# Altium PCB Dahlia Carrier Board.PcbDoc (part 8 of 10) (continued)
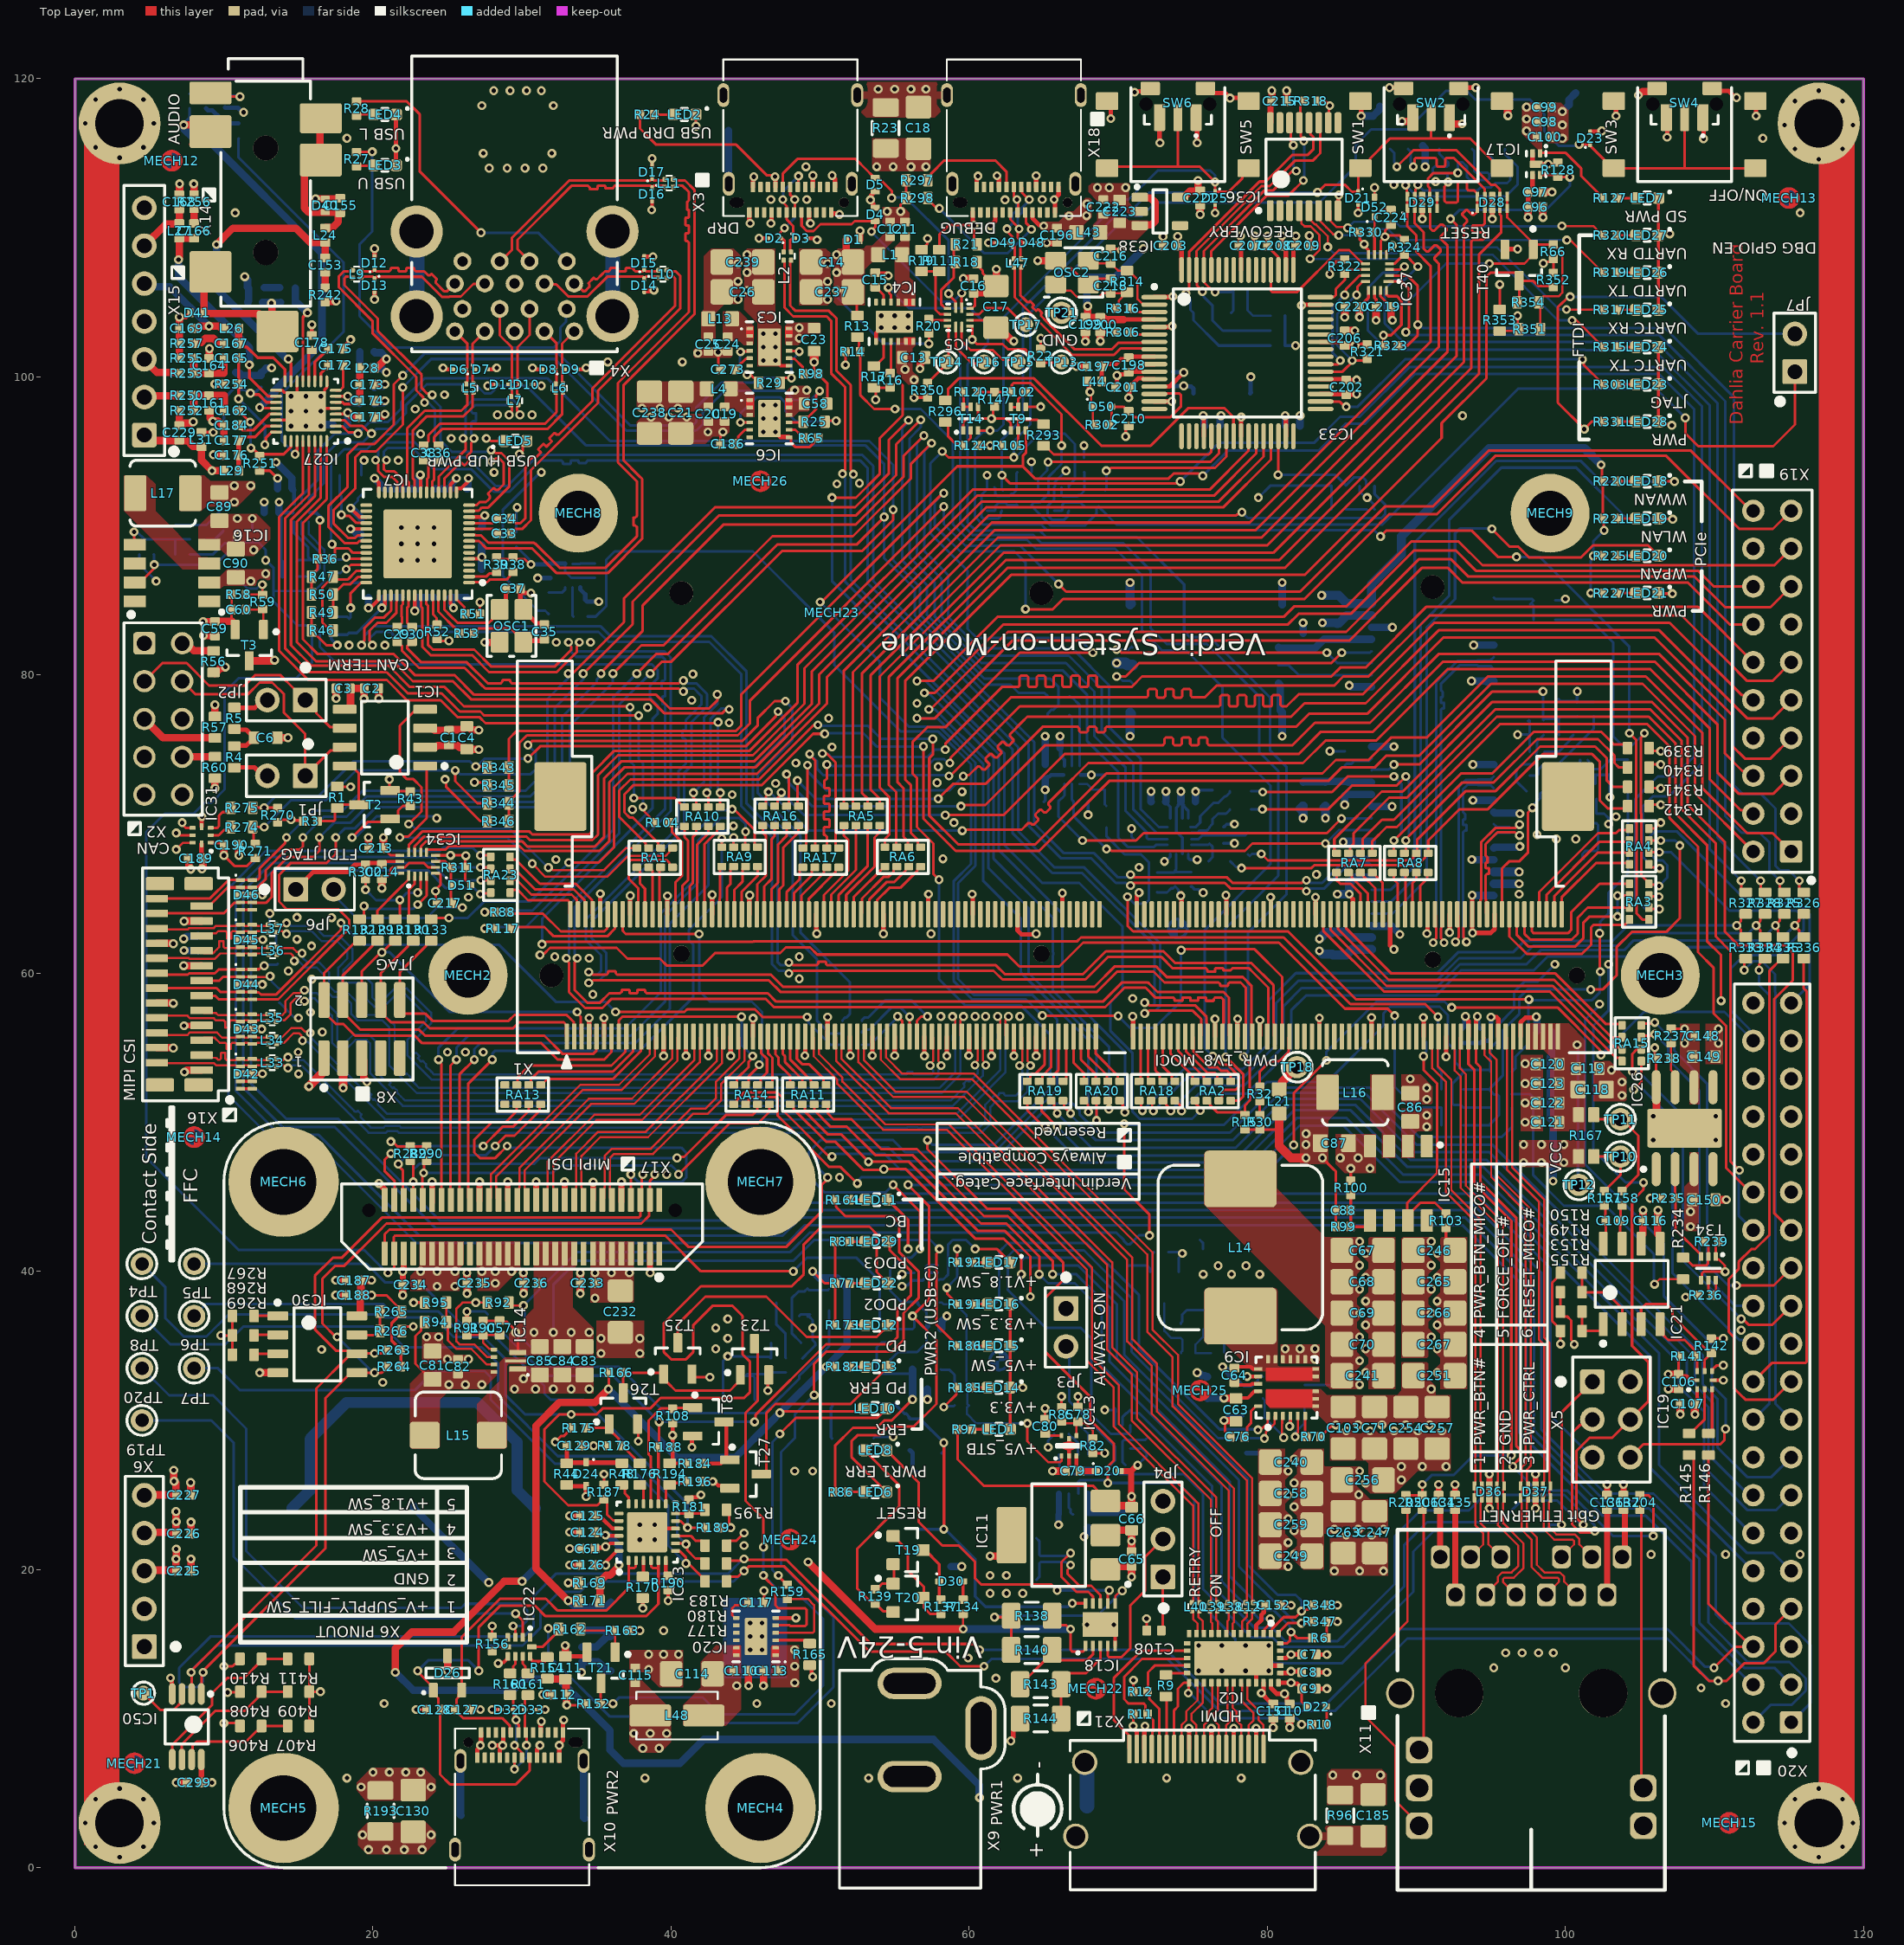
[diagram p0: Top Layer view]
## Nets (pads, with @x,y where several pads share a name; then routed paths per layer and width w, separated by ;. In a path a pad name is that pad's centre, name@x,y a point inside that pad or via, vN(x,y) a via of type N, cw(c..) or ccw(c..) an arc to the next point about the centre after c; other vN are vias at no path point) (continued)
  Bottom Layer w0.175: v2(47.4,72.114) 48.914,70.6 v2(58.4,70.6)
QSPI_1_DQS: RA17.8 X19.12 | length 82.1
  Top Layer w0.175: v2(50.156,74.732) 50.446,74.732 51.038,74.14 51.038,68.563 51.2,68.4 RA17.8@51.25,68.4 ; v2(58.4,75) 58.423,75.023 58.423,75.423 62.2,79.2 63.196,79.2 63.283,79.2 63.386,79.303 63.386,79.871 63.472,79.957 63.874,79.957 63.961,79.871 63.961,79.282 64.047,79.196 64.449,79.196 64.536,79.282 64.536,79.871 64.622,79.957 65.024,79.957 65.111,79.871 65.111,79.282 65.197,79.196 65.599,79.196 65.686,79.282 65.686,79.871 65.772,79.957 66.174,79.957 66.261,79.871 66.261,79.282 66.347,79.196 66.749,79.196 66.836,79.282 66.836,79.871 66.922,79.957 67.324,79.957 67.411,79.871 67.411,79.282 67.497,79.196 67.899,79.196 67.986,79.282 67.986,79.871 68.072,79.957 68.474,79.957 68.561,79.871 68.561,79.303 68.663,79.2 69.38,79.2 70.9,79.2 71.6,79.9 84.3,79.9 84.9,80.5 86.6,80.5 90.685,84.586 108.884,84.586 X19.12@112.61,80.86
  Bottom Layer w0.175: v2(50.156,74.732) 50.197,74.69 50.56,74.69 50.75,74.5 57.2,74.5 57.7,75 v2(58.4,75)
QSPI_1_IO0: RA16.7 X19.6 | length 79.8
  Top Layer w0.175: RA16.7@47.75,71.2 47.752,71.2 47.914,71.363 47.914,73.071 47.75,73.235 v2(47.75,73.35) ; v2(59.45,71.2) 59.531,71.281 61.081,71.281 65.1,75.3 72.917,75.3 73.004,75.3 73.107,75.403 73.107,75.728 73.193,75.815 73.596,75.815 73.682,75.728 73.682,75.372 73.768,75.286 74.171,75.286 74.257,75.372 74.257,75.728 74.343,75.815 74.746,75.815 74.832,75.728 74.832,75.372 74.918,75.286 75.321,75.286 75.407,75.372 75.407,75.728 75.493,75.815 75.896,75.815 75.982,75.728 75.982,75.403 76.084,75.3 76.923,75.3 81.7,75.3 83.2,76.8 86.9,76.8 91.525,81.425 106.275,81.425 110.7,77 110.7,74.75 111.869,73.581 111.911,73.581 112.251,73.24 X19.6@112.61,73.24
  Bottom Layer w0.175: v2(47.75,73.35) 47.831,73.269 47.831,72.841 49.487,71.186 59.435,71.186 v2(59.45,71.2)
QSPI_1_IO1: RA16.8 X19.7 | length 79.6
  Top Layer w0.175: v2(48.475,72.925) 48.475,71.275 RA16.8@48.55,71.2 ; v2(57.925,71.7) 58.917,72.692 61.092,72.692 64.925,76.525 66.625,76.525 67.288,76.525 67.39,76.422 67.39,76.246 67.476,76.16 67.879,76.16 67.965,76.246 67.965,76.442 68.051,76.528 68.454,76.528 68.54,76.442 68.54,76.246 68.626,76.16 69.029,76.16 69.115,76.246 69.115,76.422 69.218,76.525 70.175,76.525 81.925,76.525 82.8,77.4 86.7,77.4 91.826,82.526 105.974,82.526 111.2,77.3 111.2,75.25 112.05,74.4 113.77,74.4 X19.7@115.15,75.78
  Bottom Layer w0.175: v2(48.475,72.925) 49.7,71.7 v2(57.925,71.7)
QSPI_1_IO2: RA17.5 X19.9 | length 82.4
  Top Layer w0.175: RA17.5@48.85,68.4 48.9,68.4 49.063,68.563 49.063,69.527 49.15,69.614 v2(49.15,73.95) ; v2(59.606,73.207) 59.679,73.279 59.979,73.279 60.1,73.4 60.568,73.868 60.713,73.868 60.931,73.651 61.053,73.651 61.338,73.935 61.338,74.057 61.102,74.294 61.102,74.415 61.386,74.7 61.508,74.7 61.744,74.464 61.866,74.464 62.151,74.749 62.151,74.871 61.915,75.107 61.915,75.229 62.199,75.513 62.321,75.513 62.557,75.277 62.679,75.277 62.964,75.562 62.964,75.684 62.746,75.901 62.746,76.046 63.545,76.845 63.9,77.2 81.6,77.2 82.5,78.1 86.6,78.1 91.5,83 106.3,83 112.2,77.1 113.93,77.1 X19.9@115.15,78.32
  Bottom Layer w0.175: v2(49.15,73.95) 49.173,73.927 49.173,73.527 50.439,72.261 58.66,72.261 v2(59.606,73.207)
QSPI_1_IO3: RA17.6 X19.10 | length 82.4
  Top Layer w0.175: v2(49.3,74.7) 49.3,74.634 49.664,74.269 49.664,68.415 RA17.6@49.65,68.4 ; v2(58.65,73.225) 58.725,73.225 63.4,77.9 76.672,77.9 76.76,77.9 76.862,78.003 76.862,78.574 76.949,78.66 77.351,78.66 77.437,78.574 77.437,77.977 77.524,77.891 77.926,77.891 78.012,77.977 78.012,78.574 78.099,78.66 78.501,78.66 78.587,78.574 78.587,77.977 78.674,77.891 79.076,77.891 79.162,77.977 79.162,78.574 79.249,78.66 79.651,78.66 79.737,78.574 79.737,77.977 79.824,77.891 80.226,77.891 80.312,77.977 80.312,78.574 80.399,78.66 80.801,78.66 80.887,78.574 80.887,78.003 80.99,77.9 81.3,77.9 81.325,77.925 82.1,78.7 86.4,78.7 87.2,79.5 91.2,83.5 107,83.5 111.854,78.646 111.926,78.646 112.251,78.32 X19.10@112.61,78.32
  Bottom Layer w0.175: v2(49.3,74.7) 49.8,74.2 49.8,73.7 50.211,73.29 58.585,73.29 v2(58.65,73.225)
SD_1_CD#: R352.2 R354.2 RA6.8 T40.3 | length 73.1
  Top Layer w0.175: RA6.8@56.75,68.45 56.712,68.45 56.55,68.613 56.55,68.95 56.1,69.4 56.1,72.6 55.7,73 55.7,79.6 62.814,86.715 82.515,86.715 91.7,95.9 91.7,96.9 94.7,99.9 94.7,100.899 94.697,100.901 94.697,106.698 95,107 96.688,107 96.9,106.788 T40.3@96.9,106.45 ; R354.2@96.775,105 96.9,105.125 T40.3@96.9,106.45 ; R352.2@99.2,106.02 99.12,106.1 98.18,106.1 97.83,106.45 T40.3@96.9,106.45
SD_1_CLK: D28.1 D28.10 RA6.5 X7.5 | length 82.2
  Top Layer w0.175: RA6.5@54.35,68.45 54.35,69 54.625,69.275 54.625,71.825 54,72.45 54,79.9 62.3,88.2 80.4,88.2 93.2,101 93.2,110.2 93.34,110.34 93.402,110.402 93.402,110.547 93.094,110.855 93.094,110.956 93.329,111.191 93.43,111.191 93.738,110.883 93.883,110.883 94.047,111.047 94.062,111.062 94.062,111.262 D28.1@94.1,111.3 94.1,112.288 93.888,112.5 93.503,112.5 93.4,112.603 93.4,112.997 93.297,113.1 92.903,113.1 92.8,112.997 92.8,111.803 92.697,111.7 92.003,111.7 91.9,111.803 91.9,112.769 92.133,113.002 v1(92.133,113.084)
  Bottom Layer w0.175: X7.5@91.54,115.3 91.54,114.968 92.16,114.347 92.16,114.203 92.058,114.1 91.217,114.1 91.113,113.996 91.113,113.74 91.215,113.638 91.999,113.638 92.102,113.535 92.102,113.115 v1(92.133,113.084)
SD_1_CMD: D29.4 D29.7 RA5.7 X7.3 | length 79.6
  Top Layer w0.175: RA5.7@53.2,71.2 53.2,71.7 52.8,72.1 52.8,80.1 61.925,89.225 79.625,89.225 92.1,101.7 92.1,108.8 91.632,109.268 91.632,109.413 92.036,109.818 92.036,109.94 91.751,110.225 91.63,110.225 91.225,109.82 91.08,109.82 90.918,109.982 90.918,110.001 90.918,111.282 D29.4@90.9,111.3 D29.7@90.9,112.1 90.9,112.675 90.786,112.79 90.786,113.313 91.156,113.684 v1(92.783,113.684)
  Bottom Layer w0.175: v1(92.783,113.684) 92.783,114.297 92.885,114.4 93.11,114.4 93.412,114.097 93.412,113.388 93.6,113.2 94.797,113.2 94.9,113.303 94.9,113.597 94.797,113.7 94.003,113.7 93.9,113.803 93.9,115.14 X7.3@93.74,115.3
SD_1_D0: D28.2 D28.9 RA6.6 X7.7 | length 82.1
  Top Layer w0.175: RA6.6@55.15,68.45 55.1,68.5 55.1,72.15 54.6,72.65 54.6,79.857 62.443,87.7 80.8,87.7 93.7,100.6 93.7,108.4 93.7,109.097 93.803,109.2 94.479,109.2 94.582,109.303 94.582,109.505 94.582,109.592 94.479,109.695 93.813,109.695 93.742,109.766 93.742,110.098 93.813,110.17 94.479,110.17 94.582,110.272 94.582,110.893 94.582,111.282 D28.2@94.6,111.3 D28.9@94.6,112.1 94.6,112.6 92.5,114.7 92.4,114.7 92.043,114.7 91.94,114.597 91.94,114.181 91.854,114.095 91.451,114.095 91.365,114.181 91.365,114.597 91.263,114.7 90.6,114.7 89.975,114.7 89.873,114.597 89.873,114.173 v1(89.8,114.1)
  Bottom Layer w0.175: X7.7@89.44,115.3 89.632,115.108 89.632,114.383 89.9,114.115 v1@89.9,114.1
SD_1_D1: D28.4 D28.7 RA6.7 X7.8 | length 82
  Top Layer w0.175: RA6.7@55.95,68.45 55.89,68.51 55.89,68.86 55.6,69.15 55.6,72.4 55.2,72.8 55.2,79.8 62.6,87.2 81.2,87.2 94.2,100.2 94.2,108.2 95.7,109.7 95.7,110.8 95.618,110.882 95.618,111.282 D28.4@95.6,111.3 D28.7@95.6,112.1 95.6,112.582 95.282,112.9 95,112.9 92.7,115.2 89.8,115.2 v1(88.7,114.1)
  Bottom Layer w0.175: X7.8@88.24,115.3 88.532,115.008 88.532,114.383 88.7,114.215 v1(88.7,114.1)
SD_1_D2: D29.1 D29.10 RA5.5 X7.1 | length 79.7
  Top Layer w0.175: RA5.5@51.6,71.2 51.6,80.3 61.525,90.225 78.825,90.225 90.952,102.352 90.952,107.448 90,108.4 90,109.5 89.4,110.1 D29.1@89.4,111.3 D29.10@89.4,112.1 89.363,112.138 89.363,112.779 v1(89.283,112.859)
  Bottom Layer w0.175: v1(89.283,112.859) 90.042,112.1 96,112.1 96.8,112.9 96.8,114.1 95.94,114.96 X7.1@95.94,115.3
SD_1_D3: D29.2 D29.9 RA5.6 X7.2 | length 79.7
  Top Layer w0.175: RA5.6@52.4,71.2 52.363,71.2 52.2,71.363 52.2,80.2 61.725,89.725 79.225,89.725 91.525,102.025 91.525,107.025 91.525,107.575 91.229,107.871 91.229,108.016 91.635,108.422 91.635,108.544 91.35,108.828 91.228,108.828 90.822,108.423 90.677,108.423 90.6,108.5 90.5,108.6 90.5,109.7 89.885,110.315 89.885,111.285 D29.2@89.9,111.3 D29.9@89.9,112.1 89.937,112.137 89.937,112.599 90.05,112.711 v1@90.05,112.825
  Bottom Layer w0.175: v1(90.108,112.884) 90.492,112.5 94.1,112.5 94.3,112.7 95,112.7 95.3,113 96.1,113 96.3,113.2 96.3,113.7 96.101,113.899 95.301,113.899 95.12,114.08 95.12,114.62 X7.2@94.84,114.9
SD_1_PWR_EN: IC17.4 R128.2 RA5.8 | length 78.2
  Top Layer w0.175: RA5.8@54,71.2 54,71.7 53.4,72.3 53.4,80 62.1,88.7 80,88.7 92.7,101.4 92.7,110.2 v1(92.3,110.6) ; IC17.4@98.3,113.55 99.37,113.55 R128.2@99.5,113.42 100.28,113.42 v1(100.3,113.4)
  Bottom Layer w0.175: v1(92.3,110.6) 92.915,111.214 98.713,111.214 100.3,112.801 v1(100.3,113.4)
SODIMM_2_M: RA23.1 X1.2 | length 5.3
  Top Layer w0.175: RA23.1@29.2,65.4 29.2,65.438 29.362,65.6 29.7,65.6 30.4,64.9 33.085,64.9 33.188,64.797 33.188,64.012 X1.2@33.25,63.95
SODIMM_4_M: RA23.2 X1.4 | length 6.1
  Top Layer w0.175: RA23.2@29.2,66.2 29.29,66.29 29.61,66.29 30.625,65.275 33.325,65.275 33.688,64.912 33.688,64.012 X1.4@33.75,63.95
SODIMM_6_M: RA23.3 X1.6 | length 6.8
  Top Layer w0.175: RA23.3@29.2,67 29.31,66.89 29.61,66.89 30.875,65.625 33.475,65.625 34.188,64.912 34.188,64.012 X1.6@34.25,63.95
SODIMM_8_M: RA23.4 X1.8 | length 7.7
  Top Layer w0.175: RA23.4@29.2,67.8 29.2,67.777 29.362,67.614 29.586,67.614 31.2,66 33.6,66 34.688,64.912 34.688,64.012 X1.8@34.75,63.95
SODIMM_12_M: R88.1 X1.12 | length 8.1
  Top Layer w0.175: R88.1@29.18,64.1 29.273,64.1 29.377,63.996 31.404,63.996 32.6,62.8 35.525,62.8 35.711,62.986 35.711,63.911 X1.12@35.75,63.95
SODIMM_14_M: R117.1 X1.14 | length 8.5
  Top Layer w0.175: R117.1@29.18,63 29.28,63.1 31.5,63.1 32.125,62.475 35.725,62.475 36.224,62.974 36.224,63.924 X1.14@36.25,63.95
SODIMM_15_M: RA14.4 X1.15 | length 14.9
  Top Layer w0.175: X1.15@36.5,55.75 36.5,56.855 36.72,57.075 v1(44.725,57.075) ; RA14.4@44.2,52.5 44.25,52.5 44.412,52.663 44.412,52.913 45.213,53.713 45.213,54.065 45.472,54.324 v1(45.472,54.439)
  Bottom Layer w0.175: v1(44.725,57.075) 44.725,55.175 45.461,54.439 v1(45.472,54.439)
SODIMM_16_M: RA14.3 X1.16 | length 20.4
  Top Layer w0.175: X1.16@36.75,63.95 36.75,62.845 36.964,62.631 v1(41.88,62.631) ; RA14.3@45,52.5 45.103,52.603 45.212,52.603 45.212,53.088 45.915,53.79 v1(45.915,53.863)
  Bottom Layer w0.175: v1(41.88,62.631) 41.88,58.82 42.6,58.1 45.4,58.1 46.1,57.4 46.1,54.09 45.915,53.905 v1(45.915,53.863)
SODIMM_17_M: RA13.3 X1.17 | length 9.5
  Top Layer w0.175: RA13.3@29.7,52.5 29.7,53 30.5,53.8 36,53.8 36.938,54.738 36.938,55.688 X1.17@37,55.75
SODIMM_19_M: RA13.2 X1.19 | length 9.1
  Top Layer w0.175: RA13.2@30.4,52.633 30.429,52.663 30.589,52.663 30.589,52.889 31.1,53.4 36.1,53.4 37.438,54.738 37.438,55.688 X1.19@37.5,55.75
SODIMM_20_M: RA1.4 X1.20 | length 7.1
  Top Layer w0.175: X1.20@37.75,63.95 37.796,63.996 37.796,65.696 37.163,66.329 37.163,67.448 37.302,67.587 39.698,67.587 39.887,67.398 39.887,67.262 40.05,67.1 RA1.4@40.1,67.1
SODIMM_21_M: RA13.1 X1.21 | length 8.7
  Top Layer w0.175: RA13.1@31.25,52.5 31.3,52.5 31.7,52.9 36.1,52.9 37.969,54.769 37.969,55.719 X1.21@38,55.75
SODIMM_22_M: RA1.1 X1.22 | length 3.4
  Top Layer w0.175: RA1.1@37.7,67.1 37.75,67.1 37.912,66.937 37.912,66.006 38.25,65.669 X1.22@38.25,63.95
SODIMM_24_M: RA1.2 X1.24 | length 3.3
  Top Layer w0.175: RA1.2@38.5,67.1 38.55,67.1 38.75,66.9 X1.24@38.75,63.95
SODIMM_26_M: RA1.3 X1.26 | length 3.2
  Top Layer w0.175: X1.26@39.25,63.95 39.225,63.975 39.225,67.025 RA1.3@39.3,67.1
SODIMM_30_M: R104.1 X1.30 | length 6.7
  Top Layer w0.175: R104.1@39.88,70.1 40.077,69.903 40.077,69.448 40.725,68.8 40.725,66.525 40.3,66.1 40.3,64 X1.30@40.25,63.95
SODIMM_32_M: RA10.1 X1.32 | length 6.1
  Top Layer w0.175: X1.32@40.75,63.95 40.75,65.85 41.125,66.225 41.125,68.9 40.9,69.125 RA10.1@40.9,69.85
SODIMM_34_M: RA10.2 X1.34 | length 6.1
  Top Layer w0.175: X1.34@41.25,63.95 41.25,65.825 41.45,66.025 41.45,69.125 41.7,69.375 RA10.2@41.7,69.85
SODIMM_36_M: RA10.3 X1.36 | length 6.2
  Top Layer w0.175: X1.36@41.75,63.95 41.752,63.952 41.752,68.627 42.5,69.375 RA10.3@42.5,69.85
SODIMM_38_M: RA10.4 X1.38 | length 6.4
  Top Layer w0.175: X1.38@42.25,63.95 42.25,65.034 42.244,65.04 42.244,68.654 43.088,69.498 43.088,69.688 43.25,69.85 RA10.4@43.3,69.85
SODIMM_42_M: RA9.1 X1.42 | length 3.3
  Top Layer w0.175: X1.42@43.25,63.95 43.25,65.017 43.273,65.04 43.273,67.023 RA9.1@43.4,67.15
SODIMM_44_M: RA9.2 X1.44 | length 3.4
  Top Layer w0.175: X1.44@43.75,63.95 43.75,65.744 43.988,65.981 43.988,66.988 44.15,67.15 RA9.2@44.2,67.15
SODIMM_46_M: RA9.3 X1.46 | length 3.5
  Top Layer w0.175: X1.46@44.25,63.95 44.25,65.594 44.788,66.131 44.788,66.988 44.95,67.15 RA9.3@45,67.15
SODIMM_48_M: RA9.4 X1.48 | length 3.6
  Top Layer w0.175: X1.48@44.75,63.95 44.75,65.475 45.8,66.525 RA9.4@45.8,67.15
SODIMM_52_M: RA16.1 X1.52 | length 6.3
  Top Layer w0.175: X1.52@45.75,63.95 45.79,63.989 45.79,65.965 46.375,66.55 46.375,69.21 46.15,69.435 RA16.1@46.15,69.9
SODIMM_53_M: RA14.2 X1.53 | length 3.8
  Top Layer w0.175: RA14.2@45.8,52.5 45.903,52.603 46.012,52.603 46.012,52.913 46.437,53.338 46.437,54.245 46.037,54.645 46.037,55.713 X1.53@46,55.75
SODIMM_54_M: RA16.2 X1.54 | length 6.2
  Top Layer w0.175: X1.54@46.25,63.95 46.25,65.825 46.75,66.325 46.75,69 46.95,69.2 RA16.2@46.95,69.9
SODIMM_55_M: RA14.1 X1.55 | length 3.5
  Top Layer w0.175: X1.55@46.5,55.75 46.5,54.625 46.8,54.325 46.8,52.603 46.703,52.603 RA14.1@46.6,52.5
SODIMM_56_M: RA16.3 X1.56 | length 6.4
  Top Layer w0.175: X1.56@46.75,63.95 46.75,65.65 47.175,66.075 47.175,68.625 47.75,69.2 RA16.3@47.75,69.9
SODIMM_57_M: RA11.4 X1.57 | length 3.7
  Top Layer w0.175: X1.57@47,55.75 47,54.552 47.2,54.352 47.2,53.9 48,53.1 RA11.4@48,52.5
SODIMM_58_M: RA16.4 X1.58 | length 6.5
  Top Layer w0.175: X1.58@47.25,63.95 47.25,65.6 47.525,65.875 47.525,68.425 48.55,69.45 RA16.4@48.55,69.9
SODIMM_59_M: RA11.3 X1.59 | length 3.8
  Top Layer w0.175: X1.59@47.5,55.75 47.5,54.575 47.65,54.425 47.65,54.025 48.8,52.875 RA11.3@48.8,52.5
SODIMM_60_M: RA17.1 X1.60 | length 3.6
  Top Layer w0.175: X1.60@47.75,63.95 47.75,65.425 48.638,66.313 48.638,66.938 48.8,67.1 RA17.1@48.85,67.1
SODIMM_61_M: RA11.2 X1.61 | length 3.9
  Top Layer w0.175: X1.61@48,55.75 48,54.2 48.7,53.5 49.387,52.813 49.387,52.663 49.55,52.5 RA11.2@49.6,52.5
SODIMM_62_M: RA17.2 X1.62 | length 3.8
  Top Layer w0.175: X1.62@48.25,63.95 48.25,65.375 49.438,66.563 49.438,66.938 49.6,67.1 RA17.2@49.65,67.1
SODIMM_63_M: RA11.1 X1.63 | length 4.4
  Top Layer w0.175: X1.63@48.5,55.75 48.441,55.691 48.441,54.252 48.793,53.9 49.25,53.9 50.24,52.91 50.24,52.66 RA11.1@50.4,52.5
SODIMM_64_M: RA17.3 X1.64 | length 3.9
  Top Layer w0.175: X1.64@48.75,63.95 48.75,65.215 50.257,66.722 50.257,66.938 50.419,67.1 RA17.3@50.45,67.1
SODIMM_66_M: RA17.4 X1.66 | length 4
  Top Layer w0.175: X1.66@49.25,63.95 49.25,65 51.038,66.788 51.038,66.938 51.2,67.1 RA17.4@51.25,67.1
SODIMM_70_M: RA5.1 X1.70 | length 6.7
  Top Layer w0.175: X1.70@50.25,63.95 50.25,65.247 51.875,66.872 51.875,68.95 51.6,69.225 RA5.1@51.6,69.9
SODIMM_72_M: RA5.2 X1.72 | length 6.6
  Top Layer w0.175: X1.72@50.75,63.95 50.75,65.275 52.4,66.925 RA5.2@52.4,69.9
SODIMM_74_M: RA5.3 X1.74 | length 6.8
  Top Layer w0.175: X1.74@51.25,63.95 51.25,65.25 53.2,67.2 RA5.3@53.2,69.9
SODIMM_76_M: RA5.4 X1.76 | length 6.9
  Top Layer w0.175: X1.76@51.75,63.95 51.75,65.25 53.65,67.15 53.65,69.1 54,69.45 RA5.4@54,69.9
SODIMM_78_M: RA6.1 X1.78 | length 4.1
  Top Layer w0.175: X1.78@52.25,63.95 52.25,65.1 54.3,67.15 RA6.1@54.35,67.15
SODIMM_80_M: RA6.2 X1.80 | length 4.4
  Top Layer w0.175: X1.80@52.75,63.95 52.813,64.012 52.813,65.013 54.275,66.475 54.6,66.475 54.938,66.813 54.938,66.988 55.1,67.15 RA6.2@55.15,67.15
SODIMM_82_M: RA6.3 X1.82 | length 4.6
  Top Layer w0.175: X1.82@53.25,63.95 53.313,64.012 53.313,64.963 54.45,66.1 54.953,66.1 55.738,66.884 55.738,66.988 55.9,67.15 RA6.3@55.95,67.15
SODIMM_84_M: RA6.4 X1.84 | length 4.9
  Top Layer w0.175: X1.84@53.75,63.95 53.813,64.012 53.813,64.888 54.65,65.725 55.378,65.725 56.538,66.884 56.538,66.988 56.7,67.15 RA6.4@56.75,67.15
SODIMM_91_M: RA22.4 X1.91 | length 4.8
  Top Layer w0.175: v1@55.201,57.1 55.5,56.801 X1.91@55.5,55.75
  Bottom Layer w0.175: RA22.4@52.8,55.2 53.354,55.2 55.254,57.1 v1(55.2,57.1)
SODIMM_93_M: RA22.3 X1.93 | length 5.5
  Top Layer w0.175: X1.93@56,55.75 v1(56,57.075)
  Bottom Layer w0.175: RA22.3@52.8,56 52.8,56.05 52.963,56.213 53.313,56.213 54.8,57.7 55.375,57.7 v1(56,57.075)
SODIMM_95_M: RA22.2 X1.95 | length 7.3
  Top Layer w0.175: X1.95@56.5,55.75 56.5,56.8 56.777,57.077 57.177,57.077 v1(57.2,57.1)
  Bottom Layer w0.175: RA22.2@52.8,56.8 52.8,56.85 52.963,57.013 53.212,57.013 54.4,58.2 56.1,58.2 v1(57.2,57.1)
SODIMM_129_M: RA19.4 X1.129 | length 3.7
  Top Layer w0.175: RA19.4@63.9,52.75 63.95,52.75 64.113,52.913 64.113,53.135 64.215,53.238 64.436,53.238 65.05,53.852 65.05,55.7 X1.129@65,55.75
SODIMM_131_M: RA19.3 X1.131 | length 3.4
  Top Layer w0.175: RA19.3@64.7,52.75 64.748,52.75 64.911,52.913 64.911,53.111 65.5,53.7 X1.131@65.5,55.75
SODIMM_133_M: RA19.2 X1.133 | length 3.2
  Top Layer w0.175: RA19.2@65.5,52.75 65.66,52.91 65.66,53.16 66,53.5 X1.133@66,55.75
SODIMM_135_M: RA19.1 X1.135 | length 3.1
  Top Layer w0.175: RA19.1@66.3,52.75 66.338,52.75 66.5,52.913 X1.135@66.5,55.75
SODIMM_137_M: RA20.4 X1.137 | length 3.3
  Top Layer w0.175: X1.137@67,55.75 67,54 67.7,53.3 RA20.4@67.7,52.75
SODIMM_139_M: RA20.3 X1.139 | length 3.4
  Top Layer w0.175: X1.139@67.5,55.75 67.5,54.2 68.5,53.2 RA20.3@68.5,52.75
SODIMM_141_M: RA20.2 X1.141 | length 3.5
  Top Layer w0.175: X1.141@68,55.75 68,54.4 69.24,53.16 69.24,52.81 RA20.2@69.3,52.75
SODIMM_143_M: RA20.1 X1.143 | length 3.7
  Top Layer w0.175: X1.143@68.5,55.75 68.5,54.6 69.961,53.139 69.961,52.889 RA20.1@70.1,52.75
SODIMM_147_M: RA18.4 X1.147 | length 3
  Top Layer w0.175: RA18.4@71.4,52.75 71.5,52.85 X1.147@71.5,55.75
SODIMM_149_M: RA18.3 X1.149 | length 3.1
  Top Layer w0.175: X1.149@72,55.75 72,52.925 72.175,52.75 RA18.3@72.2,52.75
SODIMM_151_M: RA18.2 X1.151 | length 3.2
  Top Layer w0.175: X1.151@72.5,55.75 72.5,53.475 72.775,53.2 72.775,52.925 72.95,52.75 RA18.2@73,52.75
SODIMM_153_M: RA18.1 X1.153 | length 3.4
  Top Layer w0.175: X1.153@73,55.75 73,53.73 73.588,53.142 73.588,52.913 73.75,52.75 RA18.1@73.8,52.75
SODIMM_155_M: RA2.4 X1.155 | length 3.7
  Top Layer w0.175: X1.155@73.5,55.75 73.506,55.744 73.506,54.594 74.986,53.114 74.986,52.913 RA2.4@75.149,52.75
SODIMM_157_M: RA2.3 X1.157 | length 3.8
  Top Layer w0.175: X1.157@74,55.75 74.031,55.719 74.031,54.769 75.721,53.079 75.738,53.062 75.738,52.913 75.9,52.75 RA2.3@75.95,52.75
SODIMM_159_M: RA2.2 X1.159 | length 4.2
  Top Layer w0.175: X1.159@74.5,55.75 74.563,55.688 74.563,54.737 76.003,53.297 76.503,53.297 76.64,53.16 76.64,52.86 RA2.2@76.75,52.75
SODIMM_161_M: RA2.1 X1.161 | length 4.6
  Top Layer w0.175: X1.161@75,55.75 75.063,55.688 75.063,54.737 76.125,53.675 76.673,53.675 76.906,53.442 77.317,53.442 77.55,53.209 RA2.1@77.55,52.75
SODIMM_185_M: R31.1 X1.185 | length 83.9
  Top Layer w0.175: v1(64.908,57.156) 64.924,57.141 69.984,57.141 v1(70,57.125) ; v1(74.22,61.536) 74.284,61.6 79.15,61.6 81,59.75 X1.185@81,55.75
  Bottom Layer w0.175: R31.1@34.4,83.925 34.947,83.925 35.664,84.642 35.664,87.745 36.22,88.3 45.5,88.3 50.943,82.857 50.943,80.682 55.4,76.225 57.903,76.225 60.121,74.007 60.121,67.329 58.956,66.165 58.956,59.487 60.195,58.248 63.817,58.248 v1(64.908,57.156) ; v1(70,57.125) 70.8,56.325 72.425,56.325 74.22,58.12 v1(74.22,61.536)
SODIMM_187_M: R32.1 X1.187 | length 4.5
  Top Layer w0.175: R32.1@79.5,52.38 79.5,53.4 80.199,54.099 80.799,54.099 81.438,54.738 81.438,55.688 X1.187@81.5,55.75
SODIMM_196_M: RA15.4 X1.196 | length 24.8
  Top Layer w0.175: X1.196@83.75,63.95 83.75,62.85 87.825,58.775 98.95,58.775 103.412,54.313 103.637,54.313 103.8,54.15 RA15.4@103.8,54.1
SODIMM_198_M: RA15.3 X1.198 | length 23.9
  Top Layer w0.175: X1.198@84.25,63.95 84.25,62.9 88,59.15 99.154,59.15 103.287,55.017 103.683,55.017 RA15.3@103.8,54.9
SODIMM_200_M: RA15.2 X1.200 | length 23.1
  Top Layer w0.175: X1.200@84.75,63.95 84.756,63.944 84.756,62.944 88.15,59.55 99.25,59.55 103.1,55.7 RA15.2@103.8,55.7
SODIMM_202_M: RA15.1 X1.202 | length 22.2
  Top Layer w0.175: X1.202@85.25,63.95 85.313,63.887 85.313,62.987 88.3,60 99.3,60 102.7,56.6 103.65,56.6 103.75,56.5 RA15.1@103.8,56.5
SODIMM_206_M: RA7.1 X1.206 | length 3.9
  Top Layer w0.175: RA7.1@84.65,66.75 84.65,66.25 84.9,66 85.6,66 86.25,65.35 X1.206@86.25,64.017 ; X1.206@86.183,64.017 X1.206@86.25,63.95
SODIMM_208_M: RA7.2 X1.208 | length 3.4
  Top Layer w0.175: RA7.2@85.45,66.75 85.5,66.75 85.663,66.588 85.663,66.489 85.667,66.485 85.667,66.433 86.75,65.35 X1.208@86.75,63.95
SODIMM_210_M: RA7.3 X1.210 | length 3.2
  Top Layer w0.175: RA7.3@86.25,66.75 86.3,66.75 86.467,66.583 86.467,66.496 86.477,66.486 86.477,66.481 87.25,65.708 X1.210@87.25,63.95
SODIMM_212_M: RA7.4 X1.212 | length 3.1
  Top Layer w0.175: RA7.4@87.05,66.75 87.1,66.75 87.267,66.583 87.267,66.533 87.75,66.05 X1.212@87.75,63.95
SODIMM_216_M: RA8.1 X1.216 | length 2.9
  Top Layer w0.175: RA8.1@88.4,66.75 88.5,66.65 88.5,66.275 88.75,66.025 X1.216@88.75,63.95
SODIMM_218_M: RA8.2 X1.218 | length 2.8
  Top Layer w0.175: RA8.2@89.2,66.75 89.272,66.678 89.272,63.972 X1.218@89.25,63.95
SODIMM_220_M: RA8.3 X1.220 | length 2.9
  Top Layer w0.175: X1.220@89.75,63.95 89.75,66.05 90,66.3 RA8.3@90,66.75
SODIMM_222_M: RA8.4 X1.222 | length 3
  Top Layer w0.175: X1.222@90.25,63.95 90.25,65.85 90.74,66.34 90.74,66.69 RA8.4@90.8,66.75
SODIMM_244_M: R219.1 X1.244 | length 9.7
  Top Layer w0.175: X1.244@95.75,63.95 95.75,67.025 96.225,67.5 96.9,67.5 97.5,68.1 97.5,70.785 97.8,71.085 v1(97.8,71.1)
  Bottom Layer w0.175: v1@97.773,71.188 97.881,71.296 98.296,71.711 98.296,72.016 R219.1@98.48,72.2
SODIMM_246_M: RA3.4 X1.246 | length 11.7
  Top Layer w0.175: X1.246@96.25,63.95 96.25,62.45 97.4,61.3 101.125,61.3 101.725,61.9 101.725,63.075 101.9,63.25 104,63.25 104.3,63.55 RA3.4@104.3,63.6
SODIMM_248_M: RA3.2 X1.248 | length 12.1
  Top Layer w0.175: X1.248@96.75,63.95 96.75,62.55 97.5,61.8 100.675,61.8 101.2,62.325 101.2,63.375 101.625,63.8 v1(103.5,63.8) ; v1(103.5,65.2) RA3.2@104.3,65.2
  Bottom Layer w0.175: v1(103.5,63.8) v1(103.5,65.2)
SODIMM_250_M: RA3.3 X1.250 | length 10
  Top Layer w0.175: X1.250@97.25,63.95 97.25,62.65 97.652,62.248 100.423,62.248 100.825,62.65 100.825,63.725 101.5,64.4 RA3.3@104.3,64.4
SODIMM_252_M: RA3.1 X1.252 | length 9.8
  Top Layer w0.175: X1.252@97.75,63.95 97.75,62.803 97.853,62.7 100.2,62.7 100.4,62.9 100.4,64.1 102.3,66 RA3.1@104.3,66
SODIMM_254_M: RA4.1 X1.254 | length 9.3
  Top Layer w0.175: X1.254@98.25,63.95 98.25,65.45 102.2,69.4 103.4,69.4 103.6,69.6 104.2,69.6 RA4.1@104.3,69.7
SODIMM_256_M: RA4.2 X1.256 | length 8.4
  Top Layer w0.175: X1.256@98.75,63.95 98.75,65.275 102.275,68.8 104.2,68.8 RA4.2@104.3,68.9
SODIMM_258_M: RA4.3 X1.258 | length 7.5
  Top Layer w0.175: X1.258@99.25,63.95 99.25,65.15 102.2,68.1 RA4.3@104.3,68.1
SODIMM_260_M: RA4.4 X1.260 | length 6.7
  Top Layer w0.175: X1.260@99.75,63.95 99.75,65.075 102.075,67.4 104.2,67.4 RA4.4@104.3,67.3
SPI_1_CLK: RA15.8 X20.22 | length 23.2
  Top Layer w0.175: v1(104.6,52.2) 105.1,52.7 RA15.8@105.1,54.1
  Bottom Layer w0.175: v1(104.6,52.2) 105.2,52.2 107.2,50.2 107.2,39.867 111.674,35.394 112.356,35.394 X20.22@112.61,35.14
SPI_1_CS: RA15.5 X20.25 | length 25.4
  Top Layer w0.175: RA15.5@105.1,56.5 105.219,56.619 105.919,56.619 v1(106,56.7) ; v1(111.474,39.052) 113.982,39.052 X20.25@115.15,40.22
  Bottom Layer w0.175: v1(106,56.7) 107.3,55.4 107.3,54.805 109.5,52.605 109.5,40.472 110.911,39.061 111.465,39.061 v1(111.474,39.052)
SPI_1_MISO: RA15.7 X20.23 | length 25.8
  Top Layer w0.175: v1(104.5,53.4) 104.5,54.586 104.802,54.888 104.938,54.888 105.011,54.961 105.039,54.961 RA15.7@105.1,54.9 ; v1(111.8,36.8) 111.915,36.8 112.29,36.425 113.895,36.425 X20.23@115.15,37.68
  Bottom Layer w0.175: v1(104.5,53.4) 104.523,53.377 104.923,53.377 107.885,50.415 107.885,40.714 v1(111.8,36.8)
SPI_1_MOSI: RA15.6 X20.24 | length 22.6
  Top Layer w0.175: RA15.6@105.1,55.7 105.219,55.819 105.918,55.819 v1(106,55.9)
  Bottom Layer w0.175: v1(106,55.9) 106.894,55.006 106.894,54.206 109,52.1 109,40.1 111.42,37.68 X20.24@112.61,37.68
THERMAL: IC20.13
  other v3: 45.3,14.6 46.1,14.6 45.3,15.5 46.1,15.5 45.3,16.4 46.1,16.4
TS_ADDR_A0: IC50.7 R406.2 R407.2 | length 7.9
  Top Layer w0.175: IC50.7@7.831,7.248 7.884,7.301 7.884,8.159 8.175,8.45 11.475,8.45 12.187,9.162 12.287,9.162 12.525,9.4 R406.2@12.525,9.5 R407.2@14.275,9.5
TS_ADDR_A1: IC50.6 R408.2 R409.2 | length 9.7
  Top Layer w0.175: IC50.6@7.181,7.248 7.183,7.25 7.183,8.283 9.4,10.5 11.375,10.5 12.287,11.412 12.287,11.562 R408.2@12.525,11.8 R409.2@14.275,11.8
TS_ADDR_A2: IC50.5 R410.2 R411.2 | length 11.6
  Top Layer w0.175: IC50.5@6.531,7.248 6.531,8.231 9.2,10.9 9.2,11.7 10.225,12.725 11.35,12.725 12.525,13.9 R410.2@12.525,14 R411.2@14.275,14
UART_1_CTS: RA19.5 X20.15 | length 65.9
  Top Layer w0.175: RA19.5@66.3,51.45 66.36,51.39 66.36,51.04 v1(66.8,50.6)
  Bottom Layer w0.175: v1(66.8,50.6) 66.7,50.6 66.75,50.55 68.502,48.798 77.698,48.798 80.875,51.975 86.525,51.975 90,48.5 95.1,48.5 109.225,34.375 109.225,32.425 110.212,31.438 110.212,28.187 112.2,26.2 113.83,26.2 X20.15@115.15,27.52
UART_1_RTS: RA19.6 X20.14 | length 64.4
  Top Layer w0.175: RA19.6@65.5,51.45 65.55,51.45 65.713,51.287 65.713,50.903 65.9,50.715 v1(65.9,50.6)
  Bottom Layer w0.175: v1(65.9,50.6) 68.2,48.3 77.9,48.3 81.175,51.575 86.225,51.575 89.8,48 94.9,48 108.7,34.2 108.7,32.375 109.91,31.164 109.91,27.39 112.32,24.98 X20.14@112.61,24.98
UART_1_RXD: RA19.8 X20.12 | length 67.9
  Top Layer w0.175: RA19.8@63.9,51.45 63.9,50.8 65,49.7 v1(65.1,49.7)
  Bottom Layer w0.175: v1(65.1,49.7) 67.5,47.3 78.3,47.3 81.8,50.8 85.6,50.8 89.4,47 94.5,47 107.625,33.875 107.625,32.275 109.3,30.6 109.3,25.6 110.6,24.3 112.46,22.44 X20.12@112.61,22.44
UART_1_TXD: RA19.7 X20.13 | length 68.9
  Top Layer w0.175: RA19.7@64.7,51.45 64.704,51.45 64.866,51.287 64.866,50.734 v1(65.9,49.7)
  Bottom Layer w0.175: v1(65.9,49.7) 67.825,47.775 78.125,47.775 81.5,51.15 85.925,51.15 89.6,47.475 94.725,47.475 108.15,34.05 108.15,32.35 109.602,30.898 109.602,26.591 112.201,23.992 114.162,23.992 X20.13@115.15,24.98
UART_2_CTS: RA20.5 X19.17 | length 99.6
  Top Layer w0.175: v1(56.5,79.6) 57.6,79.6 61.9,83.9 81.1,83.9 81.8,84.6 85.3,84.6 89.662,88.962 92.838,88.962 94.438,87.362 114.032,87.362 X19.17@115.15,88.48 ; RA20.5@70.1,51.45 70.14,51.45 70.303,51.287 70.303,50.937 70.45,50.79 v1(70.45,50.675)
  Bottom Layer w0.175: v1(56.5,79.6) 57.077,79.6 61.975,74.702 61.975,68.275 66.263,63.987 66.263,58.907 70.45,54.72 v1(70.45,50.675)
UART_2_RTS: RA20.6 X19.16 | length 94.4
  Top Layer w0.175: v1(57,78.8) 57.7,78.8 62.3,83.4 81.4,83.4 82.1,84.1 85.6,84.1 89.862,88.363 92.637,88.363 94,87 108.9,87 109.96,85.94 X19.16@112.61,85.94 ; RA20.6@69.3,51.45 69.339,51.411 69.339,50.919 v1(69.378,50.88)
  Bottom Layer w0.175: v1(57,78.8) 57.081,78.719 57.359,78.719 61.625,74.452 61.625,67.7 65.625,63.7 65.625,61.442 cw(c64.85,61.3) 65.625,61.158 65.625,58.825 69.378,55.072 v1(69.378,50.88)
UART_2_RXD: RA20.8 X19.14 | length 94.7
  Top Layer w0.175: v1(56.5,77.1) 57.7,77.1 62.9,82.3 85.5,82.3 90.4,87.2 92.1,87.2 93.086,86.214 108.211,86.214 111.025,83.4 X19.14@112.61,83.4 ; RA20.8@67.7,51.45 67.963,51.187 67.963,50.737 v1(68,50.7)
  Bottom Layer w0.175: v1(56.5,77.1) 57.882,77.1 60.95,74.032 60.95,66.181 63.475,63.656 63.475,60.025 68,55.5 v1(68,50.7)
UART_2_TXD: RA20.7 X19.15 | length 97.7
  Top Layer w0.175: v1(57.3,77.7) 57.4,77.7 62.6,82.9 85.3,82.9 90.162,87.762 92.338,87.762 93.5,86.6 108.675,86.6 110.725,84.55 113.76,84.55 X19.15@115.15,85.94 ; RA20.7@68.5,51.45 68.55,51.4 v1(68.55,50.125)
  Bottom Layer w0.175: v1(57.3,77.7) 57.709,77.7 61.275,74.134 61.275,67.075 63.984,64.366 63.984,60.016 68.55,55.45 v1(68.55,50.125)
UART_3_DBG_RXD: IC37.3 R327.2 | length 65.7
  Top Layer w0.175: IC37.3@88.2,107.2 88.885,107.2 89.085,107.4 v1(89.2,107.4) ; v1(111.8,66.2) 111.8,65.725 R327.2@112.1,65.425
  Bottom Layer w0.175: v1(89.2,107.4) 89.1,107.4 88.7,107 87.786,107 86.75,105.964 86.75,103.122 88.058,101.815 101.338,101.815 101.353,101.8 105.975,101.8 109.694,98.081 109.694,68.306 v1(111.8,66.2)